# Altium PCB PRO.PcbDoc (continued)
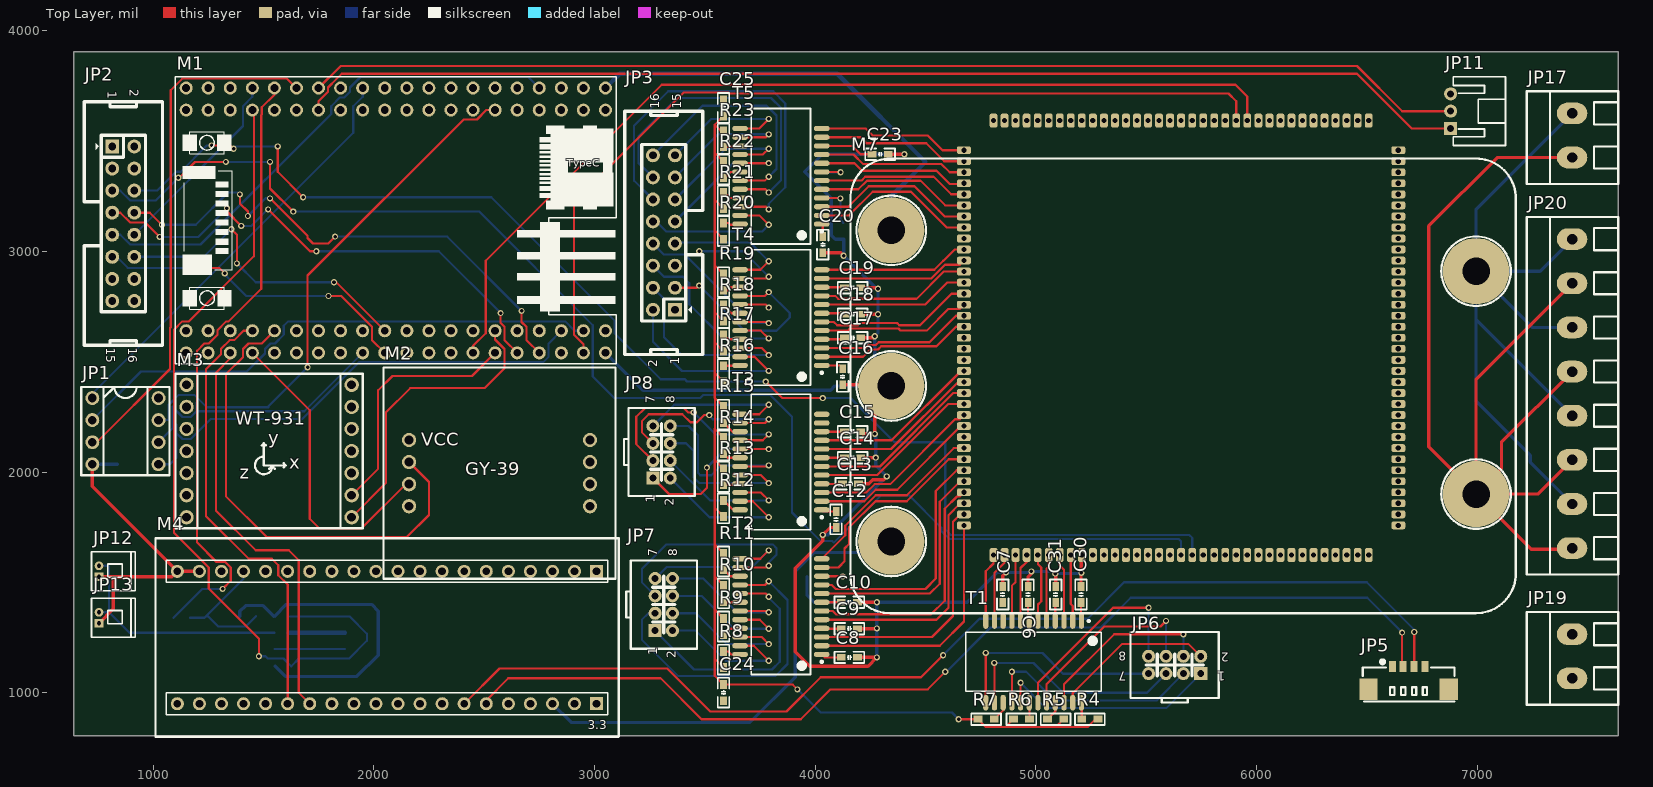
[diagram p0: Top Layer view]
## Nets (pads, with @x,y where several pads share a name; then routed paths per layer and width w, separated by ;. In a path a pad name is that pad's centre, name@x,y a point inside that pad or via, vN(x,y) a via of type N, cw(c..) or ccw(c..) an arc to the next point about the centre after c; other vN are vias at no path point) (continued)
  Bottom Layer w15: JP1.4 C1.1 ; C0.1 1393.5,1368.5 1420,1395 1498.5,1395 R27.2 1603.5,1400 1990,1400 2020,1370 2020,1170 1923.5,1073.5 1600,1073.5 R26.1 ; M1.2 3220,2370 4070,2370 4090,2390 M7.2 4270,2465 v1(4270,2615) 4285,2630 v1(4285,2715) v1(4285,2830) 4279.13,2830 v1(4129.13,2980) C21.1 4092,3055 4073.5,3073.5 4073.5,3240 C22.1 4033.5,3440 v1(4405,3440) ; C11.1 3963.5,1441.5 3995.31,1409.69 v1(4280,1409.69) ; v1(4035,1715) 4060,1715 v1(4325,1980) 4275,2030 v1(4275,2065) 4275,2177.8 v1(4270,2172.8) ; v1(4280,1160) v1(4280,1291.57) v1(4280,1409.69) ; v1(5206.54,1542.83) 5203.7,1540 v1(5088.43,1540) 5079.2,1549.23 v1(4980,1549.23) 4975.77,1545 v1(4865,1545) 4825,1545 4689.69,1409.69 v1(4280,1409.69)
NetC0_2: C0.2 M4.17 R1.1 R2.2 | length 615
  Bottom Layer w10: R2.2 1233.5,1340 R1.1 ; M4.17 1410,1516.5 R1.1 ; C0.2 1420.24,1300 1295,1300 1250,1345 R1.1
NetC6_2: C6.2 T1.7 | length 85.7
  Top Layer w10: C6.2 4965,1330.35 T1.7
NetC7_2: C7.2 T1.10
NetC8_2: C8.2 T2.1 | length 94
  Top Layer w10: T2.1 4043.5,1160 C8.2
NetC9_2: C9.2 T2.4 | length 89.1
  Top Layer w10: T2.4 4031.61,1290 C9.2
NetC10_2: C10.2 T2.7 | length 88.6
  Top Layer w10: T2.7 4030.35,1410 C10.2
NetC11_2: C11.2 T2.10 | length 99.7
  Top Layer w10: T2.10@4032.83,1525 T2.10 4122.99,1527.8 v1(4125,1525.79)
NetC12_2: C12.2 T3.1 | length 67.8
  Top Layer w10: T3.1 4037,1821.5 C12.2
NetC13_2: C13.2 T3.4 | length 104.1
  Top Layer w10: T3.4 4031.61,1945 C13.2@4133.5,1945
NetC14_2: C14.2 T3.7 | length 103.5
  Top Layer w10: T3.7 C14.2
NetC15_2: C15.2 T3.10 | length 103.5
  Top Layer w10: T3.10 C15.2
NetC16_2: C16.2 T4.1 | length 101.2
  Top Layer w10: T4.1 4109.85,2483.15 C16.2
NetC17_2: C17.2 T4.4 | length 106.3
  Top Layer w10: T4.4 4126.66,2601.26 C17.2
NetC18_2: C18.2 T4.7 | length 105.3
  Top Layer w10: T4.7 4129.13,2719.37 C18.2
NetC19_2: C19.2 T4.10 | length 104.5
  Top Layer w10: T4.10 4131.02,2837.48 C19.2
NetC20_2: C20.2 T5.1 | length 59
  Top Layer w10: T5.1 4035,3118.5 C20.2
NetC21_2: C21.2 T5.4 | length 203.5
  Top Layer w10: T5.4 4113.43,3241.57 v1(4115,3240)
  Bottom Layer w10: v1(4115,3240) 4115,3142.13 C21.2
NetC22_2: C22.2 T5.7 | length 176.2
  Top Layer w10: T5.7 4114.05,3359.69 v1(4115.63,3358.1)
  Bottom Layer w10: C22.2 4028.4,3358.1 v1(4115.63,3358.1)
NetC23_2: C23.2 T5.10 | length 244.1
  Top Layer w10: T5.10 4168.15,3477.8 4205.94,3440 C23.2
NetC24_1: C24.1 C25.1 R4.2 R5.2 R6.2 R7.2 R8.2 R9.2 R10.2 R11.2 R12.2 R13.2 R14.2 R15.2 R16.2 R17.2 R18.2 R19.2 R20.2 R21.2 R22.2 R23.2 | length 5400.8
  Top Layer w10: R8.2 3545,1153.5 ; R9.2 3545,1376.5 ; R10.2 3545,1526.5 ; R11.2 3545,1671.5 ; R12.2 3545,1838.5 ; R13.2 3545,2055 ; R14.2 3545,2196.5 ; R15.2 3545,2336.5 ; R16.2 3545,2448.5 ; R17.2 3545,2588.5 ; R18.2 3545,2723.5 ; R19.2 3545,2936.5 ; R20.2 3545,3095 ; R21.2 3545,3233.5 ; R22.2 3545,3446.5 ; R23.2 3572,3546.5 3545,3573.5 ; C25.1 3545,3573.5 ; v1(3920,1015) 3898.5,1036.5 C24.1 3545,1076.5 3545,1153.5 ; v1(4650,880) R7.2 4773.5,845 4863.5,845 ; R6.2 4863.5,845 ; R5.2 5091.5,845 ; R4.2 5270,880 5235,845 5091.5,845 ; 3545,1153.5 3545,1376.5 ; 3545,1376.5 3545,1526.5 ; 3545,1526.5 3545,1671.5 ; 3545,1671.5 3545,1838.5 ; 3545,1838.5 3545,2055 ; 3545,2055 3545,2196.5 ; 3545,2196.5 3547,2198.5 3547,2334.5 3545,2336.5 ; 3545,2336.5 3545,2448.5 ; 3545,2448.5 3545,2588.5 ; 3545,2588.5 3545,2723.5 ; 3545,2723.5 3545,2936.5 ; 3545,2936.5 3545,3095 ; 3545,3095 3545,3233.5 ; 3545,3233.5 3545,3446.5 ; 3545,3446.5 3545,3573.5 ; 4863.5,845 5091.5,845
  Bottom Layer w10: v1(3920,1015) 4025,910 4620,910 v1(4650,880)
NetC30_2: C30.2 T1.1 | length 84.1
  Top Layer w10: C30.2 5205,1326.57 T1.1
NetC31_2: C31.2 T1.4 | length 84.1
  Top Layer w10: T1.4 5088.43,1406.93 C31.2
NetJP3_1: JP3.1 T4.17 | length 135.7
  Top Layer w10: T4.17 3776.26,2758.74 v1(3790,2745)
NetJP3_2: JP3.2 T4.23 | length 881.4
  Top Layer w10: T4.23 3725.59,2522.52 v1(3790,2458.1)
  Bottom Layer w10: JP3.2 3265,2590 3396.9,2458.1 v1(3790,2458.1)
NetJP3_3: JP3.3 T4.16 | length 925.3
  Top Layer w10: JP3.3 3465,2835 v1(3475,2845) ; T4.16 3773.11,2798.11 v1(3790,2815)
  Bottom Layer w10: v1(3475,2845) 3680,2640 3825,2640 3885,2700 3885,2720 v1(3790,2815)
NetJP3_4: JP3.4 T4.22 | length 897.1
  Top Layer w10: T4.22 3758.11,2561.89 v1(3790,2530)
  Bottom Layer w10: JP3.4 3315,2785 3315,2610 3395,2530 v1(3790,2530)
NetJP3_5: JP3.5 T4.14 | length 496
  Top Layer w10: T4.14 3781.85,2876.85 v1(3790,2885)
  Bottom Layer w10: v1(3475,3000) 3675,3000 v1(3790,2885)
NetJP3_6: JP3.6 T4.20 | length 862.1
  Top Layer w10: T4.20 3754.37,2640.63 v1(3790,2605)
  Bottom Layer w10: JP3.6 3315,2885 3400,2885 3430,2855 3430,2760 3585,2605 v1(3790,2605)
NetJP3_7: JP3.7 T4.13 | length 608.4
  Top Layer w10: T4.13 3751.22,2916.22 v1(3790,2955)
  Bottom Layer w10: JP3.7 3370,3040 3705,3040 v1(3790,2955)
NetJP3_8: JP3.8 T4.19 | length 806.2
  Top Layer w10: T4.19 3785,2680 v1(3790,2675)
  Bottom Layer w10: JP3.8 3315,2985 3410,2985 3720,2675 v1(3790,2675)
NetJP3_9: JP3.9 T5.17 | length 665.2
  Top Layer w10: T5.17 3789.06,3399.06 v1(3790,3400)
  Bottom Layer w10: JP3.9 3630,3400 v1(3790,3400)
NetJP3_10: JP3.10 T5.23 | length 703.8
  Top Layer w10: T5.23 3747.17,3162.83 v1(3790,3120)
  Bottom Layer w10: JP3.10 3280,3135 3325,3090 3760,3090 v1(3790,3120)
NetJP3_11: JP3.11 T5.16 | length 661.3
  Top Layer w10: T5.16 3763.43,3438.43 v1(3790,3465)
  Bottom Layer w10: JP3.11 3595,3465 v1(3790,3465)
NetJP3_12: JP3.12 T5.22 | length 1788.4
  Top Layer w10: T5.22 3777.8,3202.2 v1(3790,3190)
  Bottom Layer w10: JP3.12 3180,3320 3180,3570 3335,3725 3810,3725 3865,3670 3865,3290 3790,3215 v1(3790,3190)
NetJP3_13: JP3.13 T5.14 | length 641.1
  Top Layer w10: T5.14 3777.17,3517.17 v1(3790,3530)
  Bottom Layer w10: JP3.13 3560,3530 v1(3790,3530)
NetJP3_14: JP3.14 T5.20 | length 1490.4
  Top Layer w10: T5.20 3775.56,3280.94 v1(3790,3266.5)
  Bottom Layer w10: JP3.14 3200,3400 3200,3520 3375,3695 3800,3695 3845,3650 3845,3321.5 v1(3790,3266.5)
NetJP3_15: JP3.15 T5.13 | length 641.4
  Top Layer w10: T5.13 3746.54,3556.54 v1(3790,3600)
  Bottom Layer w10: JP3.15 3530,3600 v1(3790,3600)
NetJP3_16: JP3.16 T5.19 | length 1100.7
  Top Layer w10: T5.19 3772.32,3320.32 v1(3790,3338)
  Bottom Layer w10: JP3.16 3490,3660 3780,3660 3825,3615 3825,3373 v1(3790,3338)
NetJP6_1: JP6.1 T1.17 | length 1018.5
  Top Layer w10: T1.17 v1(4930.94,1044.68)
  Bottom Layer w10: v1(4930.94,1044.68) 5045.63,930 5591.22,930 JP6.1
NetJP6_2: JP6.2 T1.23 | length 737.6
  Top Layer w10: T1.23 5167.17,997.17 5390,1220 5692.48,1220 JP6.2
NetJP6_3: JP6.3 T1.16 | length 1021.3
  Top Layer w10: T1.16 v1(4891.57,1095)
  Bottom Layer w10: v1(4891.57,1095) 4956.26,1095 5086.26,965 5547.48,965 JP6.3
NetJP6_4: JP6.4 T1.22 | length 817.9
  Top Layer w10: T1.22 5127.8,1037.8 5355,1265 v1(5668.74,1265)
  Bottom Layer w10: JP6.4 v1(5668.74,1265)
NetJP6_5: JP6.5 T1.14 | length 1050.7
  Top Layer w10: v1(4811.5,1135) 4812.83,1133.67 T1.14
  Bottom Layer w10: v1(4811.5,1135) 4990,1135 5125,1000 5503.74,1000 JP6.5
NetJP6_6: JP6.6 T1.20 | length 903.5
  Top Layer w10: T1.20 5049.06,1039.06 5310,1300 5565,1300 v1(5590,1325)
  Bottom Layer w10: JP6.6 v1(5590,1325)
NetJP6_7: JP6.7 T1.13 | length 1001.6
  Top Layer w10: T1.13 v1(4773.5,1180) v1(4773.5,1180)
  Bottom Layer w10: v1(4773.5,1180) 5030,1180 5123.74,1086.26 JP6.7
NetJP6_8: JP6.8 T1.19 | length 952.3
  Top Layer w10: T1.19 5009.69,1044.68 5350,1385 v1(5511.26,1385)
  Bottom Layer w10: JP6.8 v1(5511.26,1385)
NetJP7_1: JP7.1 T2.17 | length 1104.1
  Top Layer w10: T2.17 3775.94,1449.06 v1(3790,1435)
  Bottom Layer w10: JP7.1 3451.26,1105 3805,1105 3840,1140 3840,1380 3790,1430 v1(3790,1435)
NetJP7_2: JP7.2 T2.23 | length 650.8
  Top Layer w10: T2.23 3722.17,1212.83 v1(3790,1145)
  Bottom Layer w10: JP7.2 3458.74,1281.26 3595,1145 v1(3790,1145)
NetJP7_3: JP7.3 T2.16 | length 1460.7
  Top Layer w10: T2.16 3773.43,1488.43 v1(3790,1505)
  Bottom Layer w10: JP7.3 3245,1360 3215,1330 3215,1240 3380,1075 3820,1075 3875,1130 3875,1420 v1(3790,1505)
NetJP7_4: JP7.4 T2.22 | length 637.6
  Top Layer w10: T2.22 3757.8,1252.2 v1(3790,1220)
  Bottom Layer w10: JP7.4 3460,1360 3600,1220 v1(3790,1220)
NetJP7_5: JP7.5 T2.14 | length 1049
  Top Layer w10: T2.14 3782.17,1567.17 v1(3790,1575)
  Bottom Layer w10: JP7.5 3275,1460 3255,1460 3215,1500 3215,1560 3327,1672 3808,1672 3825,1655 3825,1625 3790,1590 v1(3790,1575)
NetJP7_6: JP7.6 T2.20 | length 644.9
  Top Layer w10: T2.20 3749.06,1330.94 v1(3790,1290)
  Bottom Layer w10: JP7.6 3485,1438.74 3633.74,1290 v1(3790,1290)
NetJP7_7: JP7.7 T2.13 | length 713.8
  Top Layer w10: T2.13 3751.54,1606.54 v1(3790,1645)
  Bottom Layer w10: JP7.7 3327.52,1570 3715,1570 v1(3790,1645)
NetJP7_8: JP7.8 T2.19 | length 632.3
  Top Layer w10: T2.19 3783.9,1370.32 v1(3790,1364.21)
  Bottom Layer w10: JP7.8 3492.52,1517.48 3645.79,1364.21 v1(3790,1364.21)
NetJP8_1: JP8.1 T3.17 | length 823.4
  Top Layer w10: JP8.1 3337.52,1900 3481.9,1900 3510,1928.1 v1(3510,2020) ; T3.17 v1(3790,2104.06)
  Bottom Layer w10: v1(3510,2020) 3594.06,2104.06 v1(3790,2104.06)
NetJP8_2: JP8.2 T3.23 | length 680
  Top Layer w10: T3.23 3717.17,1867.83 v1(3790,1795)
  Bottom Layer w10: JP8.2 3521.26,1795 v1(3790,1795)
NetJP8_3: JP8.3 T3.16 | length 1037.1
  Top Layer w10: JP8.3 3190,2126.26 3190,2250 3230,2290 3405,2290 3425,2270 v1(3450,2270) ; T3.16 3763.43,2143.43 v1(3790,2170)
  Bottom Layer w10: v1(3450,2270) 3550,2170 v1(3790,2170)
NetJP8_4: JP8.4 T3.22 | length 665.5
  Top Layer w10: T3.22 3754.3,1907.2 v1(3790,1871.5)
  Bottom Layer w10: JP8.4 3523.5,1871.5 v1(3790,1871.5)
NetJP8_5: JP8.5 T3.14 | length 884.4
  Top Layer w10: JP8.5 3215,2180 3215,2230 3246.54,2261.54 3398.46,2261.54 3435,2225 3465,2225 3498.1,2258.1 v1(3520,2258.1) ; T3.14 3773.34,2222.17 v1(3790,2238.82)
  Bottom Layer w10: v1(3520,2258.1) 3520,2255 3536.18,2238.82 v1(3790,2238.82)
NetJP8_6: JP8.6 T3.20 | length 736
  Top Layer w10: T3.20 3754.06,1985.94 v1(3790,1950)
  Bottom Layer w10: JP8.6 3415,2130 3450,2095 3450,1975 3475,1950 v1(3790,1950)
NetJP8_7: JP8.7 T3.13 | length 712.9
  Top Layer w10: T3.13 3746.54,2261.54 v1(3790,2305)
  Bottom Layer w10: JP8.7 3361.26,2305 v1(3790,2305)
NetJP8_8: JP8.8 T3.19 | length 789.1
  Top Layer w10: T3.19 3785.32,2025.32 v1(3790,2030)
  Bottom Layer w10: JP8.8 3426.26,2208.74 3470,2165 3470,1995 3480,1985 3530,1985 3575,2030 v1(3790,2030)
NetJP12_2: JP12.2 JP13.2 R25.2 | length 1087
  Bottom Layer w10: JP13.2 800.79,1364.21 ; JP12.2 795.79,1575 800.79,1570 800.79,1364.21 ; R25.2 893.5,1271.5 800.79,1364.21
NetQ1_1: Q1.1 R24.2 R25.1 | length 320.4
  Bottom Layer w10: R25.1 R24.2 1615.9,1197.6 Q1.1
NetR4_1: R4.1 T1.24 | length 75.8
  Top Layer w10: T1.24 5208.5,953 R4.1
NetR5_1: R5.1 T1.21 | length 89.4
  Top Layer w10: R5.1 5088.43,914.93 T1.21
NetR6_1: R6.1 T1.18 | length 75.5
  Top Layer w10: T1.18 4971.5,953.78 R6.1
NetR7_1: R7.1 T1.15 | length 91.8
  Top Layer w10: R7.1 4852.2,920.7 T1.15
NetR8_1: R8.1 T2.24 | length 80.4
  Top Layer w10: R8.1 3606.96,1186.5 3620,1173.46 T2.24
NetR9_1: R9.1 T2.21 | length 86.6
  Top Layer w10: R9.1 3611.5,1290 3658.39,1290 T2.21
NetR10_1: R10.1 T2.18 | length 76.5
  Top Layer w10: R10.1 3588.81,1409.69 T2.18
NetR11_1: R11.1 T2.15 | length 87.7
  Top Layer w10: R11.1 3615.7,1527.8 T2.15
NetR12_1: R12.1 T3.24 | length 92.8
  Top Layer w10: R12.1 3628.04,1828.46 T3.24
NetR13_1: R13.1 T3.21 | length 76.9
  Top Layer w10: R13.1 3655.39,1942 T3.21
NetR14_1: R14.1 T3.18 | length 82.8
  Top Layer w10: R14.1 3603.81,2064.69 T3.18
NetR15_1: R15.1 T3.15 | length 91.8
  Top Layer w10: R15.1 3625.7,2182.8 T3.15
NetR16_1: R16.1 T4.24 | length 75.6
  Top Layer w10: R16.1 3658.31,2481.5 T4.24
NetR17_1: R17.1 T4.21 | length 83.3
  Top Layer w10: R17.1 3605.24,2601.26 T4.21
NetR18_1: R18.1 T4.18 | length 90.3
  Top Layer w10: R18.1 3622.13,2719.37 T4.18
NetR19_1: R19.1 T4.15 | length 80.8
  Top Layer w10: R19.1 3603.5,2823.5 3617.48,2837.48 T4.15
NetR20_1: R20.1 T5.24 | length 79.7
  Top Layer w10: R20.1 3607,3128 3615,3120 3656.5,3120 T5.24
NetR21_1: R21.1 T5.21 | length 85.3
  Top Layer w10: R21.1 3588.5,3266.5 3613.43,3241.57 T5.21
NetR22_1: R22.1 T5.18 | length 85.8
  Top Layer w10: R22.1 3591.3,3333.5 3617.48,3359.69 T5.18
NetR23_1: R23.1 T5.15 | length 76.7
  Top Layer w10: R23.1 3655.67,3473.5 T5.15
P0_A_N: M6.29 T1.3 | length 306.8
  Top Layer w10: M6.29 5108.57,1576.43 5127.8,1557.2 T1.3
P0_A_P: M6.28 T1.2 | length 302.4
  Top Layer w10: M6.28 5158.57,1401.43 5167.17,1392.83 T1.2
P0_B_N: M6.31 T1.6 | length 312
  Top Layer w10: M6.31 5009.69,1622.73 5009.69,1582.38 5025,1567.07 5025,1414.78 5009.69,1399.46 T1.6
P0_B_P: M6.30 T1.5 | length 302.8
  Top Layer w10: T1.5 5049.06,1562.56 5058.57,1572.07 M6.30
P0_C_N: M6.33 T1.9 | length 305.9
  Top Layer w10: T1.9 4891.57,1485 4908.57,1501.99 M6.33
P0_C_P: M6.32 T1.8 | length 310.3
  Top Layer w10: T1.8 4930.94,1565 4958.57,1592.62 M6.32
P0_D_N: M6.35 T1.12 | length 313.4
  Top Layer w10: T1.12 4773.46,1550 4808.57,1585.1 M6.35
P0_D_P: M6.34 T1.11 | length 317.8
  Top Layer w10: T1.11 4812.83,1542.83 4858.57,1588.57 M6.34
P1_A_N: M6.37 T2.3 | length 1125.1
  Top Layer w10: T2.3 4530,1252.2 4625,1347.2 4625,1775 4658.1,1808.1 M6.37
P1_A_P: M6.36 T2.2 | length 1125.5
  Top Layer w10: T2.2 4565,1212.83 4674.31,1322.15 M6.36
P1_B_N: M6.39 T2.6 | length 1123.5
  Top Layer w10: T2.6 4079.68,1370.32 4095,1355 4525,1355 4587,1417 4587,1833.2 4642.62,1888.82 4655.03,1888.82 M6.39
P1_B_P: M6.38 T2.5 | length 1108.1
  Top Layer w10: T2.5 4550,1330.94 4605,1385.94 4605,1805 4658.1,1858.1 M6.38
P1_C_N: M6.41 T2.9 | length 1107.1
  Top Layer w10: T2.9 4075,1488.43 4093.43,1470 4500,1470 4547,1517 4547,1913.57 4641.53,2008.1 M6.41
P1_C_P: M6.40 T2.8 | length 1072.4
  Top Layer w10: T2.8 4520,1449.06 4565,1494.06 4565,1865 4658.1,1958.1 M6.40
P1_D_N: M6.43 T2.12 | length 877.5
  Top Layer w10: T2.12 4137,1713.5 4137,1757 4275,1895 4415,1895 4628.1,2108.1 M6.43
P1_D_P: M6.42 T2.11 | length 925.6
  Top Layer w10: T2.11 4105.67,1567.17 4133.5,1595 4133.5,1653.04 4155,1674.54 4155,1749.54 4273.29,1867.83 4415.63,1867.83 4605.9,2058.1 M6.42
P2_A_N: M6.46 T3.3 | length 789.6
  Top Layer w10: T3.3 4232.2,1907.2 4270,1945 4340,1945 4633.82,2238.82 4655.03,2238.82 M6.46
P2_A_P: M6.45 T3.2 | length 785.2
  Top Layer w10: T3.2 4222.38,1867.83 4274.54,1920 4372.48,1920 4660.59,2208.1 M6.45
P2_B_N: M6.48 T3.6 | length 782.1
  Top Layer w10: T3.6 4293.78,2025.32 4626.57,2358.1 M6.48
P2_B_P: M6.47 T3.5 | length 777.7
  Top Layer w10: T3.5 4030.09,1986 4281,1986 4603.1,2308.1 M6.47
P2_C_N: M6.50 T3.9 | length 774.6
  Top Layer w10: T3.9 4346.53,2143.43 4661.21,2458.1 M6.50
P2_C_P: M6.49 T3.8 | length 770.2
  Top Layer w10: T3.8 4344.06,2104.06 4648.1,2408.1 M6.49
P2_D_N: M6.52 T3.12
P2_D_P: M6.51 T3.11
P3_A_N: M6.55 T4.3 | length 704.8
  Top Layer w10: T4.3 4231.43,2561.89 4244.54,2575 4275,2575 4288,2588 4518,2588 4638.1,2708.1 M6.55
P3_A_P: M6.54 T4.2 | length 700.4
  Top Layer w10: T4.2 4217.52,2522.52 4250,2555 4285,2555 4300,2570 4550,2570 4638.1,2658.1 M6.54
P3_B_N: M6.57 T4.6 | length 718
  Top Layer w10: T4.6 4085,2680 4100,2665 4193.75,2665 4203.75,2675 4371.25,2675 4381.25,2665 4475,2665 4618.1,2808.1 M6.57
P3_B_P: M6.56 T4.5 | length 700.7
  Top Layer w10: T4.5 4148.97,2640.63 4158.34,2650 4377.45,2650 4386.82,2640.63 4505.74,2640.63 4603.94,2738.82 4655.03,2738.82 M6.56@4674.31,2758.1
P3_C_N: M6.59 T4.9 | length 700.7
  Top Layer w10: T4.9 4091.89,2798.11 4105,2785 4460,2785 4583.1,2908.1 M6.59
P3_C_P: M6.58 T4.8 | length 685.4
  Top Layer w10: T4.8 4498.74,2758.74 4598.1,2858.1 M6.58
P3_D_N: M6.61 T4.12 | length 682.3
  Top Layer w10: T4.12 4540.31,2916.22 4580.91,2956.82 4581.82,2956.82 4633.1,3008.1 M6.61
P3_D_P: M6.60 T4.11 | length 677.9
  Top Layer w10: T4.11 4526.39,2876.85 4588.37,2938.82 4655.03,2938.82 M6.60
P4_A_N: M6.64 T5.3 | length 739.4
  Top Layer w10: T5.3 4150,3202.2 4242.8,3295 4450,3295 4586.9,3158.1 M6.64
P4_A_P: M6.63 T5.2 | length 755.7
  Top Layer w10: T5.2 4153.88,3162.83 4261.04,3270 4435,3270 4596.9,3108.1 M6.63
P4_B_N: M6.66 T5.6 | length 684.7
  Top Layer w10: T5.6 4209.86,3320.32 4227.54,3338 4537,3338 4616.9,3258.1 M6.66
P4_B_P: M6.65 T5.5 | length 706.8
  Top Layer w10: T5.5 4195.94,3280.94 4235,3320 4478.1,3320 4590,3208.1 M6.65
P4_C_N: M6.68 T5.9 | length 677.5
  Top Layer w10: T5.9 4174.09,3438.43 4217.52,3395 4573.1,3395 4610,3358.1 M6.68
P4_C_P: M6.67 T5.8 | length 684.5
  Top Layer w10: T5.8 4178.15,3399.06 4212.2,3365 4550,3365 4610,3305 4671.21,3305 M6.67
P4_D_N: M6.70 T5.12 | length 685
  Top Layer w10: T5.12 4229.72,3556.54 4261.26,3525 4510,3525 4576.9,3458.1 M6.70
P4_D_P: M6.69 T5.11 | length 689.4
  Top Layer w10: T5.11 4205.38,3517.17 4232.54,3490 4503.56,3490 4585.46,3408.1 M6.69
PGND: JP2.13 JP2.14 JP17.2 JP20.2 JP20.4 JP20.6 JP20.8 M7.5 | length 3781.2
  Bottom Layer w15: JP20.2 7240,2045 7240,2075 6995,2320 6995,2690 ; JP20.4 6995,2690 ; JP20.6 7250,2655 M7.5 ; JP20.8 7285,2910 M7.5 ; JP17.2 6995,3190 M7.5 ; 6995,2690 M7.5
RX1: M1.14 M6.94 | length 4354
  Top Layer w10: M1.14 2450,2571.5 2507.47,2628.97 2507.47,2957.47 3305,3755 5905,3755 5958.57,3701.43 M6.94
RX2: M1.31 M2.2 | length 2191.7
  Top Layer w10: M1.31 1492.53,2582.53 1432.38,2582.53 1407.47,2557.62 1407.47,2520.58 1330,2443.1 1330,1890 1515,1705 2150,1705 2250,1805 2250,1955 M2.2
RX3: M1.11 M3.8 | length 1346.8
  Top Layer w10: M3.8 2055,1950 2055,2270 2165,2380 2501.85,2380 2592.53,2470.68 2592.53,2557.62 2550,2600.14 M1.11
RX4: M1.33 M4.26 | length 2027
  Top Layer w10: M1.33 1410.14,2640 1367.62,2597.47 1347.33,2597.47 1307.47,2557.62 1307.47,2532.47 1240,2465 1240,1800 1433.46,1606.54 1538.46,1606.54 1567.47,1577.53 1567.47,1532.38 1610,1489.86 M4.26
RX5: JP2.8 M1.8 | length 2418.1
  Top Layer w10: JP2.8 985,3175 v1(1040,3120) ; v1(1393.5,3258.1) 1393.5,3216.5 1430,3180 v1(1430,3160) ; v1(1530,3240) 1700,3070 1700,3060 1725,3035 1793.5,3035 v1(1825,3066.5) ; v1(2670,2730) 2670,2680.14 2692.53,2657.62 2692.53,2597.47 M1.8
  Bottom Layer w10: v1(1040,3120) 1193.5,3120 1340,3266.5 1385.1,3266.5 v1(1393.5,3258.1) ; v1(1430,3160) 1510,3240 v1(1530,3240) ; v1(1825,3066.5) 2333.5,3066.5 v1(2670,2730)
RX6: JP2.10 M1.73 | length 886.6
  Bottom Layer w10: JP2.10 1407.47,3567.47 1407.47,3657.62 1450,3700.14 M1.73
RX7: JP2.12 M1.21 | length 1453.5
  Top Layer w10: v1(1355,3100) 1380,3075 v1(1380,2945) ; v1(1820,2860) 1830,2860 M1.21
  Bottom Layer w10: JP2.12 1230,2975 v1(1355,3100) ; v1(1380,2945) 1465,2860 v1(1820,2860)
RX8: JP11.2 M1.67 | length 5266.3
  Top Layer w10: M1.67@1760,3740 M1.67 1850,3840 6455,3840 6660,3635 JP11.2
TX1: M1.4 M6.93 | length 4011.1
  Top Layer w10: M1.4 2950,2579.86 2907.47,2622.38 2907.47,3222.47 3404.5,3719.5 3605.38,3719.5 3609.88,3715 5873.57,3715 5908.57,3680 M6.93
TX2: M1.34 M2.3 | length 1410.3
  Top Layer w10: M1.34 1710,2280 1710,1788.1 1753.1,1745 1945,1745 2145,1945 M2.3
TX3: M1.12 M3.9 | length 1125.1
  Top Layer w10: M3.9 2020,2015 2020,2370 2085,2435 2445,2435 M1.12
TX4: M1.36 M4.27 | length 1880.8
  Top Layer w10: M1.36 1350,2515 1285,2450 1285,1825 1465,1645 1615,1645 1660,1600 1660,1000 M4.27
TX5: JP2.7 M1.10 | length 2338.1
  Top Layer w10: JP2.7 852.07,3175 896.57,3130.5 964.5,3130.5 v1(1030,3065) ; v1(1335,3195) 1335,3180 v1(1400,3115) ; v1(1521.25,3190) 1711.25,3000 v1(1740,3000) ; v1(2575,2720) 2575,2675.14 2592.53,2657.62 2592.53,2597.47 M1.10
  Bottom Layer w10: v1(1030,3065) 1205,3065 v1(1335,3195) ; v1(1400,3115) 1445,3115 1520,3190 v1(1521.25,3190) ; v1(1740,3000) 2295,3000 v1(2575,2720)
TX6: JP2.9 M1.47 | length 2321.2
  Bottom Layer w10: JP2.9 852.07,3075 896.57,3030.5 1215.5,3030.5 1807.47,3622.47 1807.47,3657.62 1847.33,3697.47 1867.62,3697.47 1892.53,3722.38 1892.53,3742.67 1939.86,3790 2700,3790 M1.47
TX7: JP2.11 M1.22 | length 1456.9
  Top Layer w10: v1(1230,2925) 1300,2925 v1(1325,2900) ; v1@1792.53,2800 v1(1795.06,2797.47) 1852.67,2797.47 1992.53,2657.62 1992.53,2597.47 M1.22
  Bottom Layer w10: JP2.11 835,2975 885,2925 v1(1230,2925) ; v1(1325,2900) 1325,2895 1422.53,2797.47 v1(1795.06,2797.47)
TX8: JP11.1 M1.68 | length 5336.6
  Top Layer w10: M1.68 1750,3679.86 1792.53,3722.38 1792.53,3742.67 1832.38,3782.53 1832.53,3782.53 1855,3805 6455,3805 6703.74,3556.26 JP11.1
U2_DM: JP2.5 M6.18 | length 6367.4
  Top Layer w10: v1(1115,3333.5) 1118.5,3333.5 1190,3405 v1(1330,3405) ; v1(1530,3405) 1530,3285 v1(1635,3180)
  Bottom Layer w10: JP2.5 852.07,3275 896.57,3230.5 1012,3230.5 v1(1115,3333.5) ; v1(1330,3405) v1(1530,3405) ; v1(1635,3180) 2477.67,3180 2992.53,2665.14 2992.53,2432.47 3090,2335 3480,2335 3494.5,2349.5 3795.5,2349.5 3895,2250 3895,1816.82 4023.82,1688 4077,1688 4085,1680 4300,1895 4425,1895 4572,1748 4572,1732.54 4607.54,1697 5646.57,1697 5658.57,1685 M6.18
U2_DP: JP2.6 M6.17 | length 6033.6
  Top Layer w10: v1(1265,3480) 1350,3480 v1(1365,3465) ; v1(1565,3475) 1565,3360 v1(1680,3245) ; v1(3776.26,2410) 3851.26,2335 v1(4035,2335)
  Bottom Layer w10: JP2.6 1018.32,3275 1103.82,3360.5 1125.5,3360.5 1245,3480 v1(1265,3480) ; v1(1365,3465) 1375,3475 v1(1565,3475) ; v1(1680,3245) 2532.67,3245 3092.53,2685.14 3092.53,2627.47 3300,2420 3410,2420 3420,2410 v1(3776.26,2410) ; v1(4035,2335) 4160,2335 4360,2135 4590,2135 4590,1740 4615,1715 5695,1715 5708.57,1701.43 M6.17
Water: M1.74 Q1.3 R26.2 R27.1 | length 3772.2
  Top Layer w10: M1.74 1457,3633 1457,2977 1162.53,2682.53 1132.38,2682.53 1095,2645.14 1095,1725.14 1252.53,1567.62 1252.53,1472.47 1480,1245 v1(1480,1165)
  Bottom Layer w10: v1(1480,1165) 1510,1165 1520,1155 1591.5,1155 R26.2 1661.5,1155 1888.97,1155 Q1.3 1968.97,1267.29 1891.26,1345 R27.1
WD_NRST: M1.71 R2.1 | length 2811.4
  Top Layer w10: v1(1315,1470) 1352.53,1507.53 1352.53,1567.62 1327.62,1592.53 1287.47,1592.53 1199.86,1680.14 1199.86,2550 1232.38,2582.53 1252.67,2582.53 1292.53,2622.38 1292.53,2642.67 1332.38,2682.53 1342.53,2682.53 1490,2830 1490,3617.33 1492.53,3619.86 1492.53,3652.53 1550,3710 M1.71
  Bottom Layer w10: R2.1 1222.59,1470 v1(1315,1470)
WD_SCL: JP5.3 M4.34 | length 4949.8
  Top Layer w10: M4.34 2570,1110 3330,1110 3525,915 3870,915 4025,1070 4480,1070 v1(4580,1170) ; JP5.3 6715,1119.94 v1(6715,1275)
  Bottom Layer w10: v1(4580,1170) 4745,1335 5235,1335 5400,1500 6500,1500 6715,1285 v1(6715,1275)
WD_SDA: JP5.2 M4.35 | length 4731.6
  Top Layer w10: M4.35 2510,965 2610,1065 3300,1065 3485,880 3935,880 4070,1015 4510,1015 v1(4590,1095) ; v1(6660,1272.4) 6660,1123.85 JP5.2
  Bottom Layer w10: v1(4590,1095) 4595,1095 4795,1295 5295,1295 5430,1430 6502.4,1430 v1(6660,1272.4)
pads on no net: JP5.0 M1.6 M1.7 M1.9 M1.13 M1.15 M1.16 M1.17 M1.18 M1.19 M1.20 M1.23 M1.25 M1.26 M1.27 M1.28 M1.29 M1.30 M1.32 M1.35 M1.37 M1.38 M1.40 M1.43 M1.44 M1.45 M1.46 M1.48 M1.49 M1.50 M1.51 M1.53 M1.54 M1.55 M1.56 M1.57 M1.58 M1.59 M1.60 M1.61 M1.62 M1.64 M1.65 M1.66 M1.70 M1.72 M1.75 M1.76 M1.77 M1.78 M1.79 M1.80 M2.5 M2.6 M2.7 M2.8 M3.2 M3.3 M3.4 M3.5 M3.6 M3.7 M3.10 M3.11 M3.12 M3.13 M4.2 M4.3 M4.4 M4.5 M4.6 M4.7 M4.8 M4.9 M4.10 M4.11 M4.12 M4.13 M4.14 M4.15 M4.16 M4.21 M4.22 M4.23 M4.24 M4.25 M4.28‘ M4.29 M4.30 M4.31 M4.32 M4.33 M4.36 M4.37 M6.9 M6.10 M6.11 M6.12 M6.13 M6.14 M6.15 M6.16 M6.20 M6.21 M6.22 M6.23 M6.25 M6.26 M6.71 M6.72 M6.73 M6.74 M6.75 M6.76 M6.77 M6.78 M6.79 M6.80 M6.81 M6.82 M6.83 M6.84 M6.85 M6.86 M6.87 M6.88 M6.89 M6.90 M6.91 M6.95 M6.96 M6.97 M6.98 M6.99 M6.100 M6.101 M6.102 M6.103 M6.104 M6.105 M6.106 M6.107 M6.108 M6.109 M6.110 M6.111 M6.112 M6.113 M6.114 M6.115 M6.116 M6.117 M6.118 M6.120 M6.121 M6.122 M6.123 M6.124 M6.126 M6.127 M6.128 M6.129 M6.130 M6.131 M6.132 M6.133 M6.134 M6.135 M6.136 M6.137 M6.138 M6.139 M6.140

## Text inside footprints (layer, text, board x,y; h text height)
JP2: Top Overlay "2" at 895,3735 h40 r270; Top Overlay "1" at 795,3725 h40 r270; Top Overlay "16" at 887,2563 h40 r270; Top Overlay "15" at 787,2563 h40 r270
JP3: Top Overlay "2" at 3285,2475 h40 r90; Top Overlay "1" at 3385,2485 h40 r90; Top Overlay "16" at 3293,3647 h40 r90; Top Overlay "15" at 3393,3647 h40 r90
JP6: Top Overlay "2" at 5873.74,1180.63 h40 r180; Top Overlay "1" at 5859.37,1095.63 h40 r180; Top Overlay "7" at 5409.37,1095.63 h40 r180; Top Overlay "8" at 5409.37,1185.63 h40 r180
JP7: Top Overlay "8" at 3374.37,1619.37 h40 r90; Top Overlay "7" at 3284.37,1619.37 h40 r90; Top Overlay "1" at 3284.37,1169.37 h40 r90; Top Overlay "2" at 3369.37,1155 h40 r90
JP8: Top Overlay "8" at 3364.37,2310.63 h40 r90; Top Overlay "7" at 3274.37,2310.63 h40 r90; Top Overlay "1" at 3274.37,1860.63 h40 r90; Top Overlay "2" at 3359.37,1846.26 h40 r90
M1: Top Overlay "TypeC" at 2875.52,3368.71 h60
M2: Top Overlay "VCC" at 2215,2120 h60
M3: Top Overlay "z" at 1391.97,1970 h60; Top Overlay "y" at 1521.97,2125 h60; Top Overlay "x" at 1616.97,2015 h60
M4: Top Overlay "3.3" at 2970,835 h40